# Altium PCB imx6ull开发板.PcbDoc (part 2 of 3) (continued)
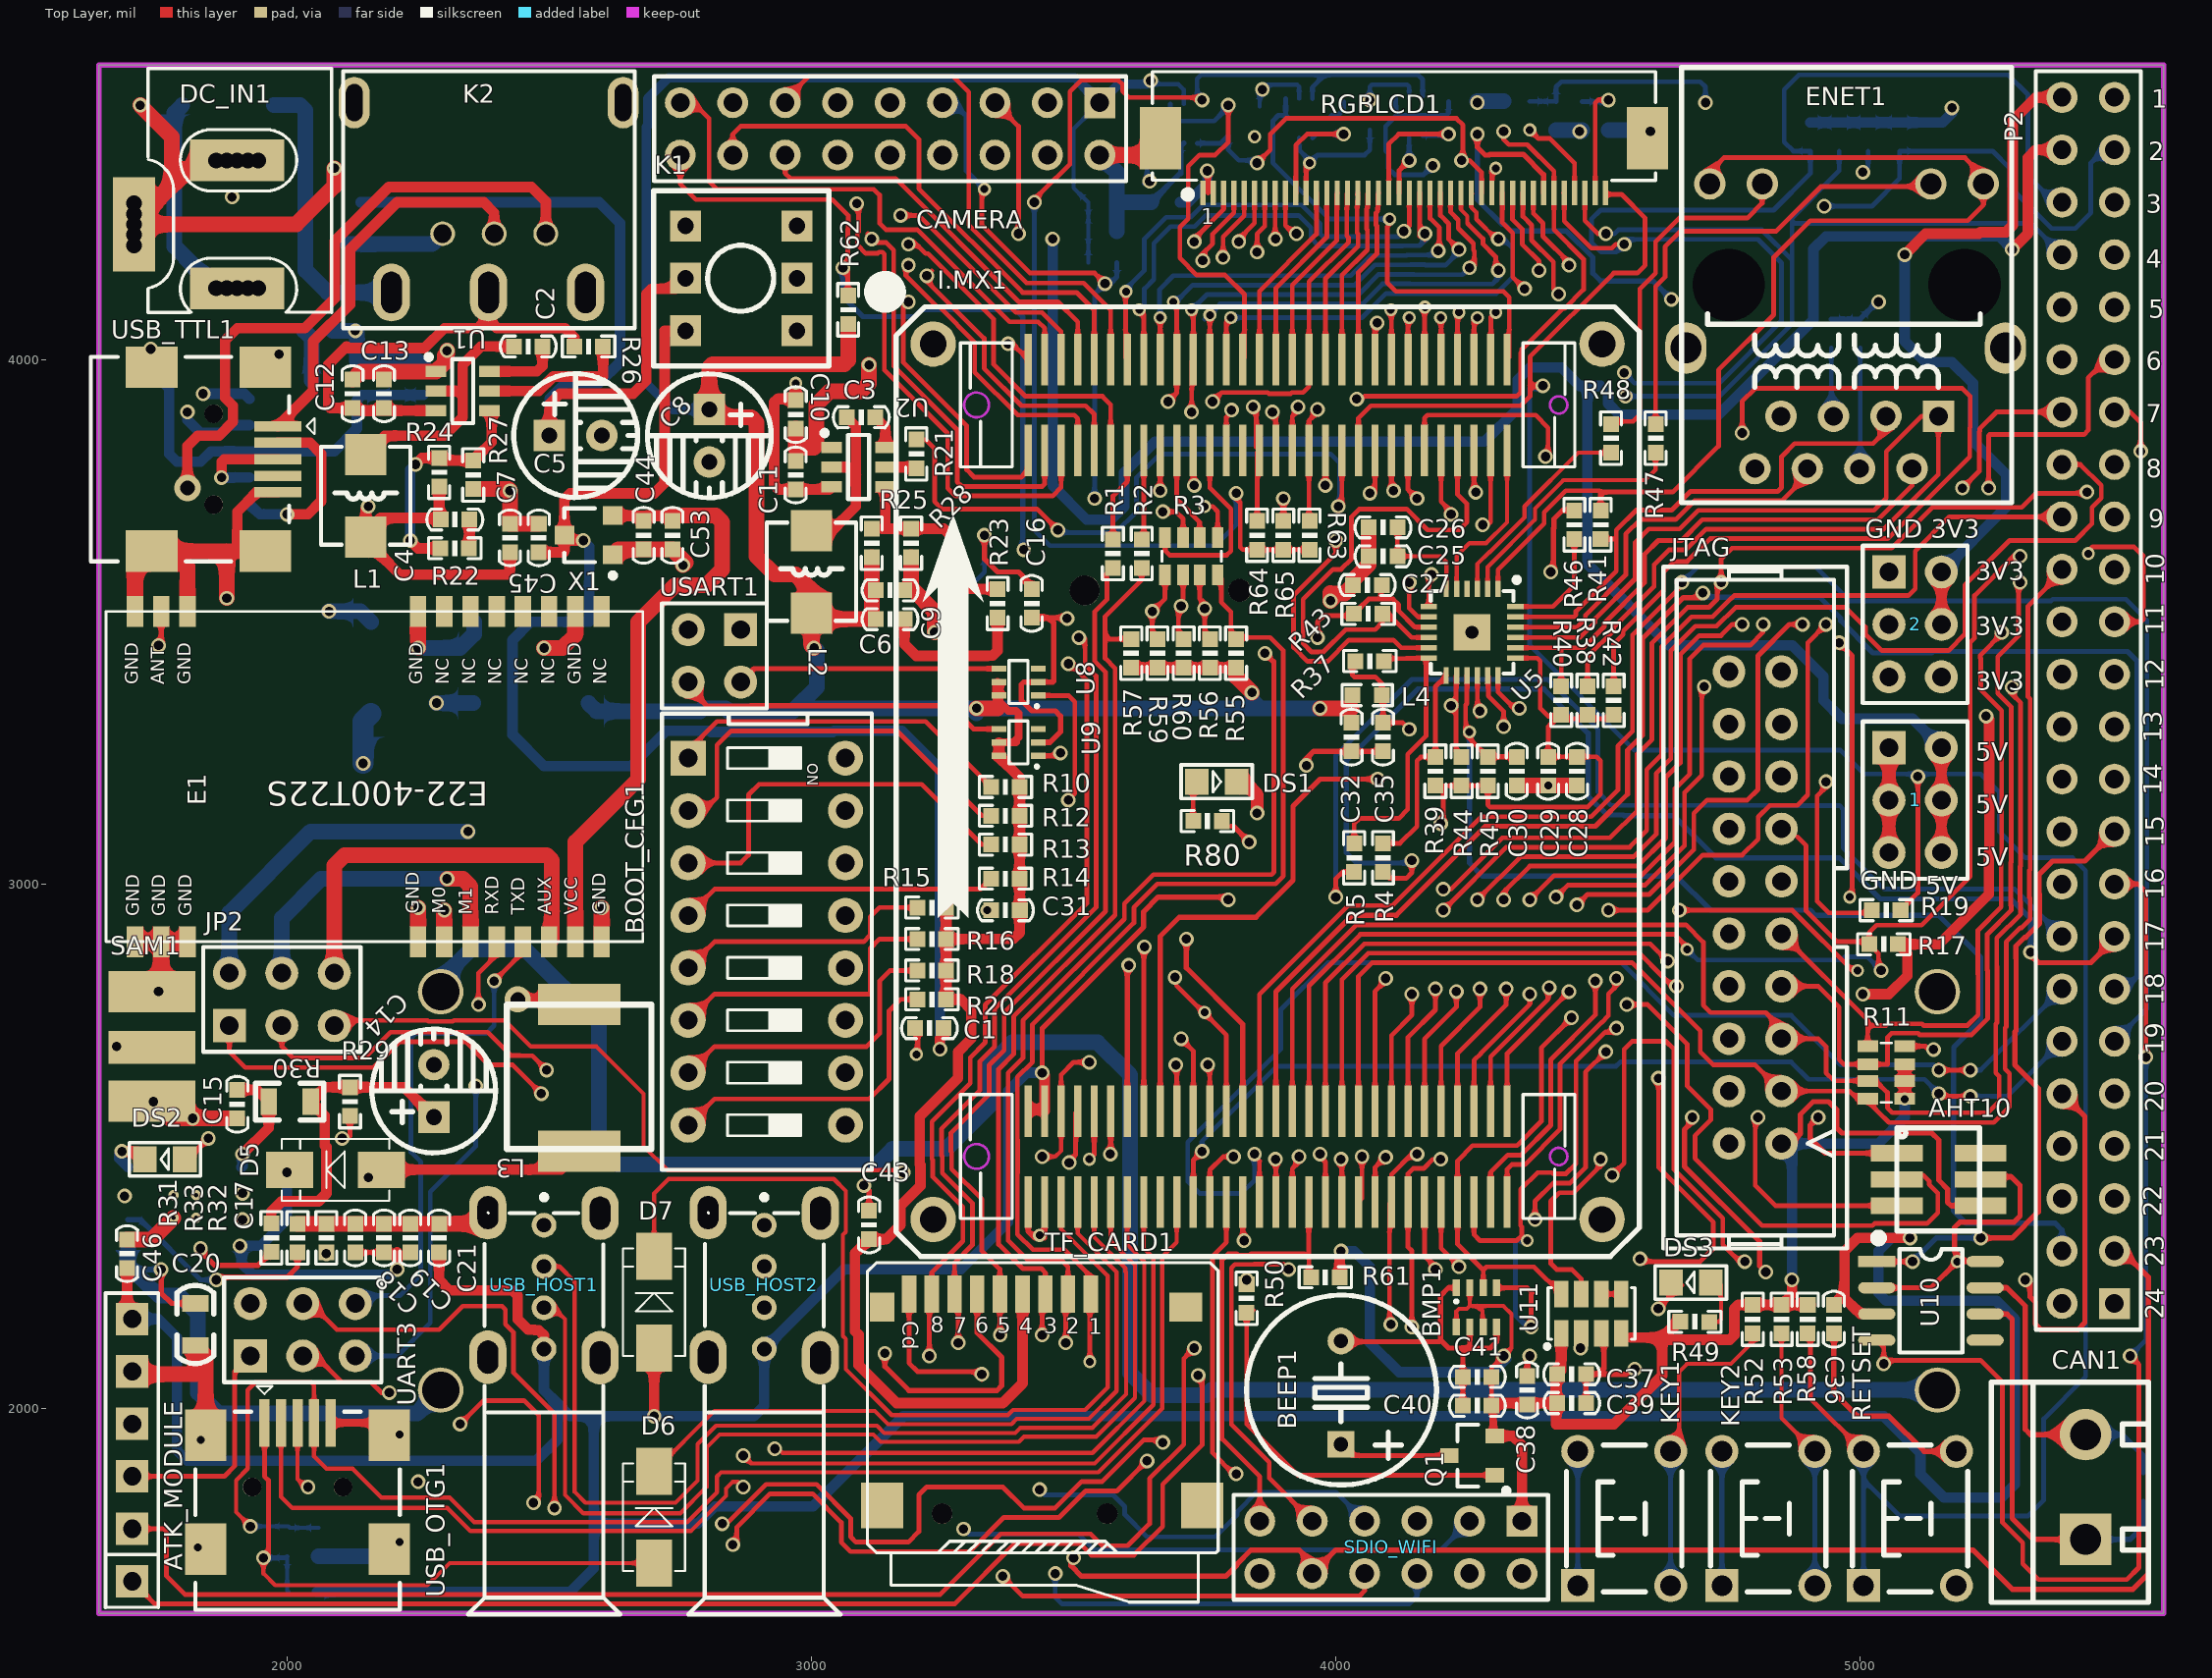
[diagram p0: Top Layer view]
## Nets (pads, with @x,y where several pads share a name; then routed paths per layer and width w, separated by ;. In a path a pad name is that pad's centre, name@x,y a point inside that pad or via, vN(x,y) a via of type N, cw(c..) or ccw(c..) an arc to the next point about the centre after c; other vN are vias at no path point) (continued)
ENET2_RST: C30.2 I.MX1.J2_9 P2.4 R45.1 U5.15 | length 3497
  Top Layer w9: U5.15@4250.16,3397.28 4250.16,3344.05 4247.5,3341.39 4247.5,3284.5 R45.1@4290,3242
  Top Layer w10: I.MX1.J2_9@3665.28,2567.05 3665.28,2900.28 3701.5,2936.5 3847.66,2936.5 3918.5,3007.34 3918.5,3148.5 3970,3200 v1(4080,3200) ; R45.1@4290,3242 4290.5,3242.5 C30.2@4345.06,3242.5
  PWR w10: v1(4080,3200) 4215,3200 4255,3240 v2(4255,3290)
  Bottom Layer w10: v2(4255,3290) 4255,3040 4280,3015 4650,3015 4715,2950 4905,2950 4915,2940 5150,2940 5230,2860 5230,2740 5178.5,2688.5 5178.5,2647.34 5178,2646.84 5178,2377 5202,2353 5372,2353 5385,2340 P2.4@5385,2300 P2.4@5385,2305
ENET2_RXD0: I.MX1.J1_38 U5.8 | length 371.5
  Top Layer w9: I.MX1.J1_38@4106.22,3826.89 4106.22,3753.78 v1(4110,3750) ; v1(4140,3575) 4140,3525.91 4156.38,3509.53 U5.8@4177.28,3509.53
  PWR w9: v1(4110,3750) 4110,3740 4155,3695 4155,3600 4140,3585 v1(4140,3575)
ENET2_RXD1: I.MX1.J1_37 U5.7 | length 319.9
  Top Layer w9: I.MX1.J1_37@4137.72,3826.89 4137.72,3752.28 v1(4155,3735) ; U5.7@4177.28,3529.21 4177.28,3587.28 4180,3590 v1(4182.5,3590)
  PWR w9: v1(4155,3735) 4180,3710 4180,3592.5 v1(4182.5,3590)
ENET2_RXER: I.MX1.J1_34 R43.1 U5.10 | length 986.5
  Top Layer w9: U5.10@4177.28,3470.16 4144.84,3470.16 4100,3515 R43.1@4088.72,3515 4088.72,3498.72 4075,3485 4018.89,3485 3976.39,3442.5 3953.61,3442.5 3937.5,3458.61 3937.5,3542.8 3994.7,3600 4010,3600 4030,3620 4030,3700 4045,3715 4135,3715 4175,3675 4235,3675 4250,3690 4250,3725 4232.2,3742.8 I.MX1.J1_34@4232.2,3826.89
ENET2_RXN: ENET1.6 R42.1 U5.22 | length 2479.3
  Top Layer w9: U5.22@4342.72,3489.84 4460.3,3489.84 4476,3505.54 4476,3512.43 4553,3589.43 4553,3667.54 4580.46,3695 4648.18,3695 4683.77,3730.59 4850.59,3730.59 4899.17,3779.17 ENET1.6@4899.17,3792.09 ; R42.1@4530,3377 4530,3457.72 4548,3475.72 4548,3482.6 4625,3559.6 4625,3595 4645,3615 4670,3615 4713.59,3658.59 5052.64,3658.59 5209,3814.95 5209,3869.91 5210,3870.91 5210,3930 5195,3945 4800,3945 4775,3920 v1(4775,3860)
  PWR w9: v1(4775,3860) 4790,3845 4895,3845 4899.17,3840.83 ENET1.6@4899.17,3792.09
ENET2_RXP: ENET1.3 R41.1 U5.23 | length 992.9
  Top Layer w9: U5.23@4342.72,3509.53 4454.53,3509.53 4458,3513 4458,3519.88 4535,3596.88 4535,3675 4573,3713 4640.72,3713 4676.31,3748.59 4843.13,3748.59 4850,3755.46 4850,3815 4875,3840 5025,3840 5049.17,3864.17 ENET1.3@5049.17,3892.09 ; R41.1@4505,3658 4532,3658
ENET2_TX_CLK: I.MX1.J1_31 U5.5 | length 322.7
  Top Layer w8: U5.5@4230.47,3562.72 4230.47,3625.47 4255,3650 4286.92,3650 4326.69,3689.78 I.MX1.J1_31@4326.69,3826.89
ENET2_TXD0: I.MX1.J1_36 U5.17 | length 1040.1
  Top Layer w9: I.MX1.J1_36@4169.21,3826.89 4169.21,3888.21 4175,3894 4381,3894 4405,3870 4405,3820 v1(4400,3815) ; U5.17@4289.53,3397.28 4290.79,3396.01 4290.79,3358.75 4320,3329.54 v1(4320,3300)
  PWR w9: v1@4325,3300 4355,3300 4380,3325 4380,3795 v1(4400,3815)
ENET2_TXD1: I.MX1.J1_35 U5.18 | length 753.1
  Top Layer w9: I.MX1.J1_35@4200.71,3826.89 4200.71,3729.29 4220,3710 v1(4220,3705) ; U5.18@4309.21,3397.28 4309.21,3365.79 4340,3335 v1(4350,3335)
  PWR w9: v1(4220,3705) 4215,3705 4207.5,3712.5 4337.5,3712.5 4362,3688 4362,3347 v1(4350,3335)
ENET2_TXEN: I.MX1.J1_32 U5.16 | length 691.6
  Top Layer w9: U5.16@4269.84,3397.28 4269.84,3320.16 4270,3320 4275,3325 v1(4275,3330) ; v1(4280,3685) 4290,3685 4295.2,3690.2 I.MX1.J1_32@4295.2,3826.89
  PWR w9: v1(4275,3330) 4295,3330 4344,3379 4344,3666 4325,3685 v1(4280,3685)
ENET2_TXN: ENET1.2 R40.1 U5.20 | length 1021.1
  Top Layer w9: U5.20@4342.72,3450.47 4471.84,3450.47 4512,3490.63 4512,3497.52 4589,3574.52 4589,3629 4615,3655 4659.09,3655 4698.68,3694.59 5033.68,3694.59 5099.17,3760.08 ENET1.2@5099.17,3792.09 ; R40.1@4430,3377 4430,3445.47
ENET2_TXP: ENET1.1 R38.1 U5.21 | length 2087
  Top Layer w9: U5.21@4342.72,3470.16 4466.07,3470.16 4494,3498.09 4494,3504.97 4571,3581.97 4571,3651 4597,3677 4655.63,3677 4691.22,3712.59 5026.22,3712.59 5050,3736.37 5050,3825 5117.09,3892.09 ENET1.1@5149.17,3892.09 5149.17,3780.57 5045.19,3676.59 4706.13,3676.59 4666.54,3637 4635,3637 4607,3609 4607,3567.06 4530,3490.06 4530,3483.18 4480,3433.18 R38.1@4480,3377
ENET_MDC: R4.2 R39.1 U5.13 | length 405.2
  Top Layer w9: R4.2@4090.06,3077.5 4122.5,3077.5 4155,3110 4155,3235 4162,3242 R39.1@4190,3242 4190,3376.49 U5.13@4210.79,3397.28
ENET_MDIO: R5.2 R37.1 U5.12 | length 564.2
  Top Layer w9: R5.2@4035.06,3077.5 4035.06,3115.06 4045,3125 4120,3125 4137,3142 4137,3247 4172,3282 U5.12@4172,3430.79 ; R37.1@4087,3430 4154.21,3430 ; 4134.21,3430.79 U5.12@4172,3430.79 ; U5.12@4177.28,3430.79 U5.12@4172,3430.79
GND: 1.1 1.3 1.5 2.1 2.3 2.5 AHT10.1 AHT10.5 ATK_MODULE.5 BAT1.2 BEEP1.2 BMP1.1 BMP1.5 BMP1.7 C1.2 C5.2 C7.1 C8.2 C9.1 C10.1 C11.1 C12.1 C13.1 C14.2 C15.1 C16.1 C17.1 C18.1 C19.1 C20.1 C21.1 C22.1 C23.1 C24.1 C25.1 C26.1 C27.1 C28.1 C29.1 C30.1 C31.1 C32.1 C33.1 C34.1 C35.1 C36.1 C37.1 C38.1 C39.1 C40.2 C41.2 C42.1 C43.1 C44.1 C45.1 C46.1 C47.1 C48.1 C49.1 C50.1 C51.2 C53.1 CAMERA.2 D3.1 D4.1 DC_IN1.2 DC_IN1.3 DS1.2 E1.1 E1.2 E1.3 E1.4 E1.11 E1.13 E1.19 E1.20 E1.22 ENET1.8 ENET1.13 ENET1.14 I.MX1.J2_59 I.MX1.J2_60 JTAG.4 JTAG.6 JTAG.8 JTAG.10 JTAG.12 JTAG.14 JTAG.16 JTAG.18 JTAG.20 KEY1.1 KEY2.1 P2.25 P2.47 pad.2 R11.7 R27.1 R28.1 R32.1 R33.1 R35.1 R46.2 R65.1 RETSET.2 RGBLCD1.11 RGBLCD1.20 RGBLCD1.29 RGBLCD1.A RGBLCD1.B SAM1.G SDIO_WIFI.2 TF_CARD1.6 U1.1 U2.1 U3.2 U3.9 U4.4 U5.25 U6.1 U7.1 U8.2 U9.2 U10.2 U10.8 U11.3 U12.2 U13.2 U14.2 USB_HOST1.4 USB_HOST1.5 USB_HOST2.4 USB_HOST2.5 USB_OTG1.5 USB_TTL1.5 X1.1 | length 11125.3
  Top Layer w9: RGBLCD1.11@3943.49,4317.79 3943.49,4368.49 v2(3950,4375) ; RGBLCD1.20@4120.66,4317.79 4120.66,4360.66 v1(4140,4380) ; RGBLCD1.29@4297.82,4317.79 v2@4297.82,4357.82
  Top Layer w10: v1(3100,2425) 3110,2415 C43.1@3110,2377 ; v1(3140,2105) 3140,2080 3186,2034 3353.6,2034 3363,2043.4 3363,2097 3316.1,2143.9 TF_CARD1.6@3316.1,2217.64 ; v2@3202.5,2675 C1.2@3202.5,2725.06 ; I.MX1.J2_60@3413.31,2393.82 3413.31,2337.86 3426.16,2325 v2@3444.61,2325 ; U9.2@3432.4,3270 3455,3270 3475,3290 3475,3320 3465,3330 3420.41,3330 3400,3350.41 3400,3380 3405,3385 U8.2@3432.4,3385 3460,3385 3462,3387 3462,3498 3452,3508 ; 3442,3508 3452,3508 ; v2@3444.8,2325.2 I.MX1.J2_59@3444.8,2393.82 ; v1(3487.5,3506.39) 3485.89,3508 3452,3508 ; R65.1@3900,3692 v1(3900,3735) ; v1(3944,3226) 3944,3239 3958,3253 C32.1@4030,3253 C35.1@4090,3253 ; BEEP1.2@4010,2128.43 4011.43,2127 4197,2127 4200,2130 ; BMP1.1@4229.98,2229.84 4214.84,2229.84 4200,2215 4200,2130 ; C40.2@4242.5,2005.06 C41.2@4242.5,2060.06 4242.5,2106.36 4251.14,2115 ; BMP1.7@4255.57,2155.04 4255.57,2119.43 4251.14,2115 ; BMP1.5@4306.75,2155.04 4306.75,2126.75 4295,2115 4251.14,2115 ; C38.1@4365,2062 4365,2095 v1(4370,2100) ; v1(4410,3595) 4415,3595 4415,3677.84 4416,3678.84 4416,3696 4432.5,3712.5 R46.2@4455.06,3712.5 ; C39.1@4477,2010 C37.1@4477,2065 4500,2065 ; U11.3@4511.38,2147.94 4511.38,2076.38 4500,2065 ; v1(4570,2075) 4565,2075 4555,2065 4500,2065 ; v1(4920,2555) 4905,2540 4905,2515 4933.43,2486.57 AHT10.1@5070,2486.57 ; C36.1@4950,2143 4950,2030 4995,1985 5055,1985 5122.05,1917.95 RETSET.2@5183.58,1917.95 ; U10.2@5031.65,2230 5135,2230 v2(5185,2280) 5200,2280 ; R11.7@5085.2,2690.63 5124.37,2690.63 5130.5,2684.5 v1(5140,2684.5) ; AHT10.5@5230,2441.57 5288.43,2441.57 5305,2425 5305,2366.87 5293.13,2355 5190,2355 5180,2345 5180,2300 5200,2280 ; U10.8@5238.35,2280 5200,2280 ; 4200,2130 4215,2115 4251.14,2115
  Top Layer w15: USB_OTG1.5@2082.99,1972.36 2192.64,1972.36 v2(2215,1950) ; C16.1@3420,3508 3442,3508
  Top Layer w20: 1905,3634.8 1905,3710 1942.01,3747.01 USB_TTL1.5@1982.36,3747.01
  Top Layer w25: DS1.2@3811.01,3195 3825,3195 3850,3170 v1(3850,3135) ; 1.5@5055,3060 1.3@5055,3160 1.1@5055,3260
  Top Layer w30: C46.1@1695,2322 1742,2322 v3(1783.35,2363.35) ; ATK_MODULE.5@1704.58,2070.43 1710,2065 1825,2065 C20.1@1825,2120 1844.81,2100.19 USB_OTG1.5@1844.81,1948.43 ; E1.1@1710,2890 E1.2@1760,2890 ; E1.22@1710,3519.92 1710,3602.91 USB_TTL1.5@1741.89,3634.8 USB_TTL1.5@1780.2,3634.8 ; v1(1720,4485) 1780.13,4424.87 1780.13,4330 ; SAM1.G@1742.56,2586.1 1775.66,2553 C15.1@1905,2553 ; SAM1.G@1742.56,2794.76 1760,2812.2 E1.2@1760,2890 ; E1.3@1810,2890 E1.2@1760,2890 ; E1.20@1810,3519.92 1810,3605 USB_TTL1.5@1780.2,3634.8 ; v1(1885,3545) 1885,3634.8 ; DC_IN1.2@1904.94,4380 DC_IN1.2@1884.94,4380 DC_IN1.2@1864.94,4380 1830.13,4380 1780.13,4330 ; 1905,3634.8 1885,3634.8 ; R33.1@2020,2352 R32.1@2075,2352 C17.1@2130,2352 C18.1@2185,2352 C19.1@2235,2352 C21.1@2290,2352 2361.7,2352 USB_HOST1.5@2383,2373.3 ; v1(2090,4365) 2090,4330 2017.95,4257.95 DC_IN1.3@1708.09,4257.95 1780.13,4330 ; C12.1@2125,3962 2140.4,3977.4 U1.1@2283.82,3977.4 2301,3994.58 2301,4008.08 2305,4012.08 v1(2305,4016.92) ; E1.4@2249.76,2890 2249.76,2954.76 v1(2250,2955) ; E1.19@2249.76,3519.92 2249.76,3450.24 v1(2250,3450) ; R27.1@2355,3753 2422,3753 v1(2425,3750) C7.1@2425,3687 C45.1@2480,3687 ; v1(2490,3450) 2525,3450 2549.76,3474.76 E1.13@2549.76,3519.92 ; E1.11@2599.76,2890 2599.76,2954.76 v1(2600,2955) ; X1.1@2621.26,3627.6 2631.66,3638 C44.1@2680,3638 C53.1@2735,3638 2760,3613 v1(2755,3608) ; C10.1@2970,3868 2970,3830 2972.4,3832.4 3005,3832.4 3009.06,3836.47 3009.06,3914.06 3035,3940 3095,3940 3110,3955 v1(3110,3990) ; R28.1@3190,3623 3190,3573 C9.1@3177,3560 3195,3560 3235,3520 v1(3235,3480) ; CAMERA.2@3550,4390 3633.22,4390 RGBLCD1.A@3665.43,4422.21 ; 3990,3555 v1(3990,3540) 3995.22,3545.22 3995.22,3554.06 4017.07,3554.06 C27.1@4033,3570 4033,3579.38 4062.56,3608.94 4063,3608.94 C25.1@4063,3625 C26.1@4063,3680 ; C30.1@4345,3188 v2(4405,3188) C28.1@4460,3188 ; USB_TTL1.5@1780.2,3634.8 1885,3634.8
  PWR w10: v1(1895,4310) DC_IN1.2@1895,4369.94
  PWR w25: 2.5@5055,3395 2.3@5055,3495 2.1@5055,3595
  Bottom Layer w9: U12.2@3930,4422.6 3930,4400 v2@3945,4385 ; v2(3950,4375) 3965,4390 4055,4390 4065,4400 C48.1@4065,4438 ; v1(4140,4380) U13.2@4140,4422.6
  Bottom Layer w10: C50.1@3648,4300 3703,4355 3704.32,4355 3704.32,4406.91 U14.2@3710,4412.6 ; KEY1.1@4461.42,1662.05 KEY1.1@4461.42,1917.95 ; KEY2.1@4736.42,1662.05 KEY2.1@4736.42,1917.95 ; C34.1@4945,4077 C33.1@5000,4077 5033,4110 v1(5035,4110)
  Bottom Layer w30: U6.1@1928.27,3975 1975,3975 1985,3985 v1(1985,4010) ; R35.1@2060,1718 2188,1718 v2(2215,1745) ; C24.1@2087,4055 v1(2130,4055) 2133.31,4051.69 U7.1@2133.31,3997.4 2249.6,3997.4 C22.1@2260,3987 ; v1(2250,3450) 2330,3450 2356.47,3476.47 D3.1@2356.47,3499.8 ; v1(2285,3345) D4.1@2355,3345 ; CAMERA.2@3550,4390 3582,4358 C49.1@3582,4300 ; C42.1@3582,4245 C49.1@3582,4300 ; C50.1@3648,4300 C49.1@3582,4300 ; C51.2@4520.06,4437.5 4597.5,4437.5 v1(4600,4435)
  other v1: 1915,2410 1820,2553 1745,2585 1755,2795 1740,4020
  other v2: 1830,1735 1835,1940 3435,2330 3200,2675 3335,2950 4305,4365 3845,4425
  other v3: 1826.65,2363.35 1783.35,2406.65 1826.65,2406.65
GPIO_6: I.MX1.J2_44 P2.16 R5.1 | length 2727
  Top Layer w9: I.MX1.J2_44@3917.24,2393.82 3917.24,2457.24 3935,2475 v1(3930,2480) ; v1(4000,2975) 4000,3010 4013,3023 R5.1@4035,3023
  PWR w9: v1(3930,2480) 3930,2495 3990,2555 3990,2965 v1(4000,2975)
  Bottom Layer w9: v1(4000,2975) 4000,3245 4145,3390 4405,3390 4500,3295 4500,3175 4525,3150 4830,3150 4831.03,3148.97 4831.57,3149.5 4960.5,3149.5 4967.66,3142.34 4967.66,3068.5 5046.16,2990 5295,2990 P2.16@5385,2900
GPIO_7: I.MX1.J2_45 P2.15 R4.1 | length 3109.6
  Top Layer w9: v1(3885,2475) 3885.75,2474.25 I.MX1.J2_45@3885.75,2393.82 ; R4.1@4090,3023 4102.19,3010.81 4134.19,3010.81 4145,3021.62 v1(4145,3045)
  Top Layer w10: v1(5325,2870) 5325,2865 5340,2850 5440,2850 5485,2895 P2.15@5485,2900
  PWR w9: v1(3885,2475) 3885,2485 3972,2572 3972,3002 4020,3050 4140,3050 v1(4145,3045)
  Bottom Layer w10: v1(4145,3045) 4140,3040 4040,3040 4020,3060 4020,3235 4156.5,3371.5 4397.34,3371.5 4481.5,3287.34 4481.5,3167.34 4517.34,3131.5 4548.5,3131.5 4550,3130 4645,3130 4725,3050 4960,3050 5038.5,2971.5 5287.34,2971.5 5325,2933.84 v1(5325,2870)
I2C1_SCL: AHT10.3 BMP1.4 I.MX1.J2_33 P2.43 R8.2 U11.2 | length 5131.3
  Top Layer w9: I.MX1.J2_33@4263.7,2393.82 4263.7,2331.3 4275,2320 4345,2320 4355,2330 4355,2346.11 4352.5,2348.61 4352.5,2417.5 4384.79,2449.79 4412.42,2449.79 4414.95,2447.26 4438.86,2447.26 4458.29,2466.69 4458.29,2662.38 4513.41,2717.5 4527.5,2717.5 v1(4535,2725) ; BMP1.4@4306.75,2229.84 4365.16,2229.84 4375,2220 4372.5,2217.5 v1(4372.5,2155) ; v1(4805,2555) 4800,2550 4800,2425 4838.43,2386.57 AHT10.3@5070,2386.57
  PWR w9: v1(4372.5,2155) 4372.5,2147.5 4380,2155 4455,2155 4466.78,2143.22 v1(4466.78,2115) ; v1(4535,2725) 4567.07,2725 4737.07,2555 4875,2555 4935,2615 4935,3145 4919.5,3160.5 4709.5,3160.5 4670,3200 4670,3450 4742.5,3522.5 4777.04,3522.5 4840,3585.46 4840,3680 4802,3718 4780,3718 4713,3785 4713,3917.09 4940,4144.09 4940,4260 4955,4275 ; v1(5005,4357.5) 5005,4325 4955,4275 ; P2.43@5485,4300 5430,4355 5430,4415.85 5402.82,4443.03 5348.03,4443.03 5320,4415 5320,4315 5280,4275 4955,4275
  Bottom Layer w9: v2(4365,2320) 4342.5,2320 4342.5,2177.5 4365,2155 v1(4372.5,2155) ; v1(5005,4357.5) 5015.06,4367.56 R8.2@5015.06,4397.5 ; P2.43@5485,4290 P2.43@5485,4300
I2C1_SDA: AHT10.2 BMP1.3 I.MX1.J2_34 P2.45 R9.2 U11.8 | length 5386.6
  Top Layer w9: BMP1.3@4281.16,2229.84 4281.16,2263.84 ; U11.8@4430,2218 4378,2270 4287.32,2270 4281.16,2263.84 ; v1(4449.54,2745) 4392,2687.46 4392,2547.46 4345.54,2501 4261,2501 4232.2,2472.2 I.MX1.J2_34@4232.2,2393.82 4232.2,2312.8 4281.16,2263.84 ; v1(4555,2770) 4595,2770 4670,2695 4670,2615 4715,2570 4715,2550 4685,2520 4685,2476.81 4813.31,2348.5 5023.5,2348.5 5027.5,2352.5 5127.5,2352.5 5148.29,2373.29 5148.29,2410.55 5131.5,2427.34 5131.5,2433.5 5120,2445 5078.43,2445 AHT10.2@5070,2436.57
  PWR w9: v1(4449.54,2745) 4474.54,2770 v1(4555,2770) 4595,2770 4710,2655 4890,2655 4917,2682 4917,3033 4895,3055 4720,3055 4650,3125 4650,3455.46 4735.04,3540.5 4769.59,3540.5 4822,3592.91 4822,3670 4792,3700 4715,3700 4695,3720 4695,3924.54 4898,4127.54 4898,4268 4922.5,4292.5 v1(4931.46,4292.5)
  Bottom Layer w9: v1(4931.46,4292.5) 5022.5,4292.5 5075.06,4345.06 R9.2@5075.06,4397.5 5252.5,4397.5 5285,4365 5285,4330 5365,4250 5410,4250 5440,4280 5440,4375 5465,4400 P2.45@5485,4400
I2C2_SCL: CAMERA.4 I.MX1.J2_31 P2.42 R6.2 RGBLCD1.38 | length 5166.3
  Top Layer w9: I.MX1.J2_31@4326.69,2393.82 4326.69,2456.24 4335.46,2465 4360.46,2465 4428,2532.54 4428,2657.54 4505.96,2735.5 4506.61,2735.5 4520,2748.89 4520,2790 4540,2810 4540,2815 v1(4535,2820) ; RGBLCD1.38@4474.99,4317.79 4474.99,4265.01 4500,4240 v1(4515,4240)
  PWR w9: CAMERA.4@3450,4390 3465,4390 3514.5,4439.5 3785.5,4439.5 3805,4420 3805,4365 3830,4340 3910,4340 3924,4354 3924,4385.77 3940.73,4402.5 4067.5,4402.5 4075,4410 4190,4410 4212.5,4387.5 4212.5,4347.5 4240,4320 4415,4320 4440,4295 4440,4240 4505,4175 4570,4175 4590,4195 4590,4230 4572.5,4247.5 4522.5,4247.5 v1(4515,4240) ; v1(4535,2820) 4535,2850 4590,2905 4635.65,2905 4636.15,2904.5 4673.85,2904.5 4705,2935.65 4705,2990.46 4545,3150.46 4545,3920 4555,3930 v1(4552.5,3930)
  Bottom Layer w9: v1(4515,4240) 4531.11,4240 4538.61,4247.5 4812.5,4247.5 4870,4190 ; v1(4552.5,3930) 4731.77,3930 4870,4068.23 4870,4190 ; R6.2@4960.06,4397.5 4960.06,4360 4870,4269.94 4870,4265 ; P2.42@5385,4200 5325,4260 4875,4260 4870,4265 ; 4870,4190 4870,4265
I2C2_SDA: CAMERA.6 I.MX1.J2_32 P2.44 R7.2 RGBLCD1.36 | length 5932.6
  Top Layer w8: RGBLCD1.36@4433.86,4317.79 RGBLCD1.36@4435.62,4317.79
  Top Layer w9: I.MX1.J2_32@4295.2,2393.82 4295.2,2450.2 4328,2483 4353,2483 4410,2540 4410,2665 4495,2750 v1(4495,2815) ; RGBLCD1.36@4435.62,4317.79 4435.62,4264.38 4487.5,4212.5 4526.39,4212.5 4533.89,4220 v1(4550,4220)
  PWR w9: CAMERA.6@3350,4390 3350,4425 3370,4445 3480,4445 3495,4460 3495,4515 3513.03,4533.03 3585.12,4533.03 3593.03,4525.12 3593.03,4466.97 3602.5,4457.5 4226.39,4457.5 4242.5,4441.39 4242.5,4418.61 4258.61,4402.5 4407.5,4402.5 4460,4350 4460,4255 4502.5,4212.5 4526.39,4212.5 4533.89,4220 v1(4550,4220) ; v1(4495,2815) 4495,2844.54 4573.46,2923 4643.11,2923 4643.61,2922.5 4666.39,2922.5 4682.5,2938.61 4682.5,2987.5 4525,3145 4525,3955 4545,3975 v1(4550,3975)
  Bottom Layer w9: v1(4550,3975) 4570,3955 4731.31,3955 4850,4073.69 4850,4184.54 4805.04,4229.5 4559.5,4229.5 v1(4550,4220) 4535,4205 4506.16,4205 4487.5,4223.66 4487.5,4267.5 4505,4285 4835,4285 4905.06,4355.06 R7.2@4905.06,4397.5 4872.5,4397.5 4855,4415 4855,4515 4882.88,4542.88 5282.12,4542.88 5320,4505 5320,4350 5370,4300 P2.44@5385,4300
JTAG_MOD: I.MX1.J2_22 P2.31 R70.1 R71.2 | length 3884.8
  Top Layer w9: I.MX1.J2_22@4074.72,2567.05 4074.72,2794.72 4100,2820 v1(4095,2820) ; v1(4205,2990) 4219.54,2990 4317.54,3088 4523,3088 4575,3140 4575,3247.67 4603,3275.67 4603,3459.82 4670.68,3527.5 4711.39,3527.5 4727.5,3543.61 4727.5,3567.5 v1(4735,3575) 4735,3620 4755.59,3640.59 5060.1,3640.59 5137.51,3718 5308,3718 5335,3745 5430.26,3745 v1(5432.5,3747.24)
  PWR w9: v1(4095,2820) 4095,2885 4200,2990 v1(4205,2990) ; v1(4705,4490) 4765,4490 4880,4375 4880,4135 4623.5,3878.5 4623.5,3686.5 v1(4735,3575) ; v1(5432.5,3747.24) 5462.76,3747.24 P2.31@5490,3720
  Bottom Layer w9: R71.2@4369.94,4492.5 4419.5,4492.5 R70.1@4420,4492 4420,4520 4430,4530 4695,4530 4705,4520 v1(4705,4490)
JTAG_NTRST: I.MX1.J2_21 JTAG.3 P2.30 R11.2 | length 2736
  Top Layer w9: I.MX1.J2_21@4043.23,2567.05 4043.23,2823.96 4069.27,2850 4565,2850 4695,2720 4695,2680 4720,2655 4800,2655 JTAG.3@4850,2605 4980,2605 R11.2@4994.77,2590.23 ; R11.2@5009.77,2590.23 5034.02,2565.98 ; 5034.02,2565.96 5054.98,2545 5255,2545 5285,2575 5285,2638.84 5276.5,2647.34 5276.5,2725.59 5279,2728.09 5279,2850.24 5278.5,2850.74 5278.5,2889.26 5305.74,2916.5 5307.87,2916.5 5324,2932.63 5324,2973.28 5322.97,2974.31 5322.97,3025.69 5324,3026.72 5324,3353.02 5320,3357.02 5320,3530 5385,3595 P2.30@5385,3600
JTAG_TCK: I.MX1.J2_19 JTAG.9 P2.28 R11.8 | length 2613
  Top Layer w9: I.MX1.J2_19@3980.24,2567.05 3980.24,2811.88 4054.36,2886 4599.89,2886 v1(4632.95,2852.95) ; JTAG.9@4850,2905 5014.34,2740.66 R11.8@5014.34,2690.63 ; 5014.34,2730 5049.12,2730 5052.47,2733.35 5117.94,2733.35 5121.28,2730 5204.54,2730 5225,2750.46 5225,2827.87 5224.5,2828.37 5224.5,2911.63 5268.97,2956.1 5268.97,3048.06 5270,3049.09 5270,3330.65 5230,3370.65 5230,3430.46 5229.35,3431.11 5229.35,3436.35 5273,3480 v1(5270,3480)
  PWR w9: v1(4632.95,2852.95) 4636.89,2849 4731.07,2849 4731.57,2849.5 4768.43,2849.5 4768.93,2849 4819,2849 4850,2880 JTAG.9@4850,2905 ; v1(5270,3480) 5290,3500 P2.28@5385,3500
JTAG_TDI: I.MX1.J2_17 JTAG.5 P2.26 R11.4 | length 2842.1
  Top Layer w9: I.MX1.J2_17@3917.24,2567.05 3917.24,2799.8 4039.45,2922 4668,2922 4700.96,2889.04 4700.96,2769.04 4715,2755 4820,2755 4850,2725 JTAG.5@4850,2705 4920,2705 4935,2690 4935,2640 4950.32,2624.68 R11.4@5014.34,2624.68 5029.88,2624.68 5052.02,2602.55 5052.02,2573.42 5061.44,2564 5244,2564 5265,2585 5265,2633.38 5258.5,2639.88 5258.5,2733.04 5261,2735.54 5261,2842.78 5260.5,2843.28 5260.5,2896.72 5306,2942.22 5306,2965.82 5304.97,2966.85 5304.97,3033.15 5306,3034.18 5306,3345.57 5290,3361.57 v1(5290,3375)
  PWR w9: v1(5290,3375) 5315,3400 P2.26@5385,3400
JTAG_TDO: I.MX1.J2_18 JTAG.13 P2.27 R17.2 | length 3119.1
  Top Layer w9: I.MX1.J2_18@3948.74,2567.05 3948.74,2805.84 4046.9,2904 4646,2904 4670,2880 v2(4670,2875) ; 4880,3090 4897,3073 4897,2948.91 4955.91,2890 R17.2@5012.56,2890 ; v1(5040,2835) 5035,2840 5035,2867.56 R17.2@5017.5,2885.06 5017.5,2907.5 5031.5,2921.5 5116.96,2921.5 5210,3014.54 5210,3460.91 5218,3468.91 5218,3550 5293,3625 v1(5305,3625) ; v2(5435,3630) 5435,3635 5443.03,3643.03 5521.97,3643.03 5540,3625 5540,3505 5535,3500 P2.27@5485,3500
  PWR w9: v1(5305,3625) 5305,3630 5318.03,3643.03 5430,3643.03 5430,3635 v2(5435,3630)
  Bottom Layer w9: v2(4670,2875) 4690,2855 4965,2855 4971,2861 5014,2861 v1(5040,2835)
JTAG_TMS: I.MX1.J2_20 JTAG.7 P2.29 R11.6 | length 2899.9
  Top Layer w9: I.MX1.J2_20@4011.73,2567.05 4011.73,2817.92 4061.81,2868 4579,2868 4621.55,2825.45 4650,2797 v1(4650,2805) ; JTAG.7@4850,2805 4920,2805 4960,2765 4960,2665 4968.82,2656.18 R11.6@5014.34,2656.18 5052.02,2656.18 5052.02,2707.44 5059.93,2715.35 5110.48,2715.35 5113.83,2712 5212,2712 5243,2743 5243,2835.33 5242.5,2835.83 5242.5,2904.17 5288,2949.67 5288,2958.37 5286.97,2959.4 5286.97,3040.6 5288,3041.63 5288,3338.11 5262.5,3363.61 5262.5,3433.61 5302,3473.11 5302,3572 v1(5305,3575)
  PWR w9: v1@4650,2795 v1(4650,2805) 4700,2755 4820,2755 4850,2785 JTAG.7@4850,2805 ; v1(5305,3575) 5323.03,3556.97 5473.03,3556.97 5475,3555 5485,3565 P2.29@5485,3600
KEY0: I.MX1.J2_48 KEY1.2 R52.1 | length 2020.2
  Top Layer w8: KEY1.2@4638.58,1917.95 4655,1934.37 4655,2070 4670,2085 4753.5,2085 R52.1@4804.25,2135.75
  Top Layer w9: I.MX1.J2_48@3791.26,2393.82 3791.26,2316.72 3765,2290.46 3765,1915 3805,1875 v1(3810,1875)
  PWR w9: v1(3810,1875) 3810,1865 4615,1865 4638.58,1888.58 KEY1.2@4638.58,1917.95
  Bottom Layer w9: KEY1.2@4638.58,1662.05 KEY1.2@4638.58,1917.95
LCD_B0: I.MX1.J1_7 RGBLCD1.21 | length 878.3
  Top Layer w9: v2(3600,4130) 3599,4129 3599,4003.4 I.MX1.J1_7@3602.28,4000.12 ; 4140.34,4255.34 RGBLCD1.21@4140.34,4317.79
  Bottom Layer w9: v2(3600,4130) 3595,4130 3635,4170 3635,4230 3676.56,4271.56 3723.09,4271.56 3746.53,4295 3935,4295 3965,4265 3965,4264.34 3970.5,4258.85 3970.5,4239.5 3975.46,4234.54 4119.54,4234.54 v1(4129.73,4244.73)
LCD_B1: I.MX1.J1_8 RGBLCD1.22 | length 941.4
  Top Layer w9: v2(3625,4095) 3633.78,4086.22 I.MX1.J1_8@3633.78,4000.12 ; RGBLCD1.22@4160.03,4317.79 4160.03,4235.03 4162,4237 4170,4229 v1(4170,4240)
  Bottom Layer w9: v2@3620,4095 v2(3625,4095) 3635,4105 3635,4135 3653,4153 3653,4221.56 3685,4253.56 3730.55,4253.56 3751.98,4275 3928.89,4275 3952.5,4251.39 3952.5,4232.04 3968,4216.54 4127,4216.54 4127.68,4217.23 4141.12,4217.23 4160,4217.23 4170,4227.23 v1(4170,4240)
LCD_B2: I.MX1.J1_9 RGBLCD1.23 | length 800.9
  Top Layer w9: v2(3665,4080) 3665,4000.39 I.MX1.J1_9@3665.28,4000.12 ; RGBLCD1.23@4179.71,4317.79 4179.71,4269.18 4197.5,4251.39 4197.5,4209.56 v1(4195.44,4207.5)
  Bottom Layer w9: v2(3665,4080) 3665,4098.23 3664,4099.23 3664,4134 3690,4160 4028.18,4160 4066.72,4198.54 4134.46,4198.54 4135.14,4199.23 4148.57,4199.23 v1@4185,4199.23
LCD_B3: BOOT_CFG1.13 I.MX1.J1_10 RGBLCD1.24 | length 2393
  Top Layer w9: v1(3680,3920) 3696.77,3936.77 I.MX1.J1_10@3696.77,4000.12 3696.77,4103.23 v2(3690,4110) ; RGBLCD1.24@4199.4,4317.79 4199.4,4274.95 4215.5,4258.85 4215.5,4229.5 v1(4235,4210) v1@4231.12,4210
  PWR w9: BOOT_CFG1.13@3065,2940 3010,2940 2980,2970 2980,3290.46 3093,3403.46 3093,3493 3362.5,3762.5 3362.5,3762.96 3385.54,3786 3490.54,3786 3572.54,3868 3680,3868 3690,3878 3690,3905 3680,3915 v1(3680,3920)
  Bottom Layer w9: v2(3690,4110) 3690,4105 3727,4142 4035.63,4142 4074.18,4180.54 4141.91,4180.54 4142.6,4181.23 4156.03,4181.23 4169.88,4181.23 4171.11,4180 4203.14,4180 4208.77,4180 4235,4206.23 v1(4235,4210)
LCD_B4: BOOT_CFG1.12 I.MX1.J1_11 RGBLCD1.25 | length 2794.9
  Top Layer w9: v1(3725,3900) 3725,3996.85 I.MX1.J1_11@3728.27,4000.12 3728.27,4091.73 v2(3725,4095) ; RGBLCD1.25@4219.08,4317.79 4219.08,4280.72 4233.5,4266.3 4233.5,4250.39 4262.5,4221.39 4262.5,4209.01 4264.5,4207.01 4264.5,4184.5 v1(4255,4175)
  PWR w9: BOOT_CFG1.12@3065,2840 2975,2840 2960,2855 2960,3295.91 3075,3410.91 3075,3500.91 3378.09,3804 3483.09,3804 3540,3860.91 3540,4005 3560,4025 3705,4025 3730,4000 3730,3905 v1(3725,3900)
  Bottom Layer w9: v2(3725,4095) 3754,4124 4043.09,4124 4081.63,4162.54 4149.37,4162.54 4149.91,4162 4195.68,4162 4242,4162 v1@4251.01,4171.01
LCD_B5: BOOT_CFG1.11 I.MX1.J1_12 RGBLCD1.26 | length 2848.2
  Top Layer w8: RGBLCD1.26@4238.77,4317.79 4238.77,4285.78 4251,4273.55 4251,4260.11 4251.5,4259.61
  Top Layer w9: I.MX1.J1_12@3759.76,4000.12 3759.76,4084.76 v2(3760,4085) ; 4251.5,4259.61 4280.5,4230.61 4280.5,4220.61 4305,4196.11 v1@4305,4180
  PWR w9: BOOT_CFG1.11@3065,2740 2960,2740 2935,2765 2935,3296.37 3057,3418.37 3057,3508.37 3370.63,3822 3466.5,3822 3520,3875.5 3520,4035 3530,4045 3745,4045 3760,4060 v2(3760,4085)
  Bottom Layer w9: 3750,4076.77 v2@3758.23,4085 ; v2(3760,4085) v2@3758.23,4085 ; v1(4310,4170) 4310,4165 4315,4160 4299,4144 4188.23,4144 4142.46,4144 4141.91,4144.54 4089.09,4144.54 4050.54,4106 3779.23,4106 v2@3758.23,4085
LCD_B6: BOOT_CFG1.10 I.MX1.J1_13 RGBLCD1.27 | length 3183.3
  Top Layer w8: RGBLCD1.27@4258.45,4317.79 4258.45,4290.14 4268,4280.59 4268,4267.86 4305.86,4230 v1(4310,4230)
  Top Layer w9: I.MX1.J1_13@3791.26,4000.12 3791.26,4071.26 v2(3800,4080) ; RGBLCD1.27@4258.45,4317.79 RGBLCD1.27@4259.72,4316.53
  PWR w8: BOOT_CFG1.10@3065,2640 2907.5,2640 2907.5,3293.62 3039.5,3425.62 3039.5,3515.62 3363.38,3839.5 3459.25,3839.5 3502.5,3882.75 3502.5,4092.25 3500,4094.75 3500,4135.25 3539.75,4175 3690,4175 3735.56,4129.44 3775.56,4129.44 3800,4105 v2(3800,4080)
  Bottom Layer w9: v2(3800,4080) 4050,4080 4096,4126 4180.77,4126 4306.46,4126 4337.5,4157.04 4337.5,4212.5 4320,4230 v1(4310,4230)
LCD_B7: R68.2 RGBLCD1.28 U14.1 | length 763.2
  Top Layer w9: v1(3850,4375) 3875,4400 3875,4430 3905,4460 4230,4460 4242.5,4447.5 v1@4242.5,4380 ; v1@4242.5,4377.5 v1@4242.5,4380 ; RGBLCD1.28@4278.14,4317.79 4278.14,4356.86 4255,4380 v1@4242.5,4380
  Bottom Layer w9: U14.1@3735.59,4412.6 3780.16,4412.6 R68.2@3795.06,4427.5 3795.06,4399.94 3815,4380 3845,4380 v1(3850,4375)
  other v1: 4240,4380
LCD_DATA7: I.MX1.J1_14 R68.1 U14.4 | length 772.8
  Top Layer w9: v1(3795,4485) 3795,4415 3770,4390 3740,4390 3718.66,4368.66 3718.66,4268.66 3702.5,4252.5 3702.5,4193.61 3734.77,4161.34 3788.66,4161.34 3826,4124 3826,4003.36 I.MX1.J1_14@3822.76,4000.12
  Bottom Layer w9: U14.4@3684.41,4487.4 3684.41,4465.59 3695,4455 3768,4455 R68.1@3795,4482
LCD_DATA8: I.MX1.J1_15 RGBLCD1.12 | length 362.8
  Top Layer w9: I.MX1.J1_15@3854.25,4000.12 3854.25,4130.36 3963.18,4239.29 RGBLCD1.12@3963.18,4317.79
LCD_DATA9: I.MX1.J1_16 RGBLCD1.13 | length 357.9
  Top Layer w9: I.MX1.J1_16@3885.75,4000.12 3885.75,4136.4 3982.86,4233.52 RGBLCD1.13@3982.86,4317.79